# Altium PCB VCO.PcbDoc
Units mil, origin at the board's own origin, x right, y up, seen from the top; angles counter-clockwise.
Board outline 840 x 1465 mil, 2 copper layers (Top Layer, Bottom Layer); 16 components, 10 nets, 58 pads, 174 vias.
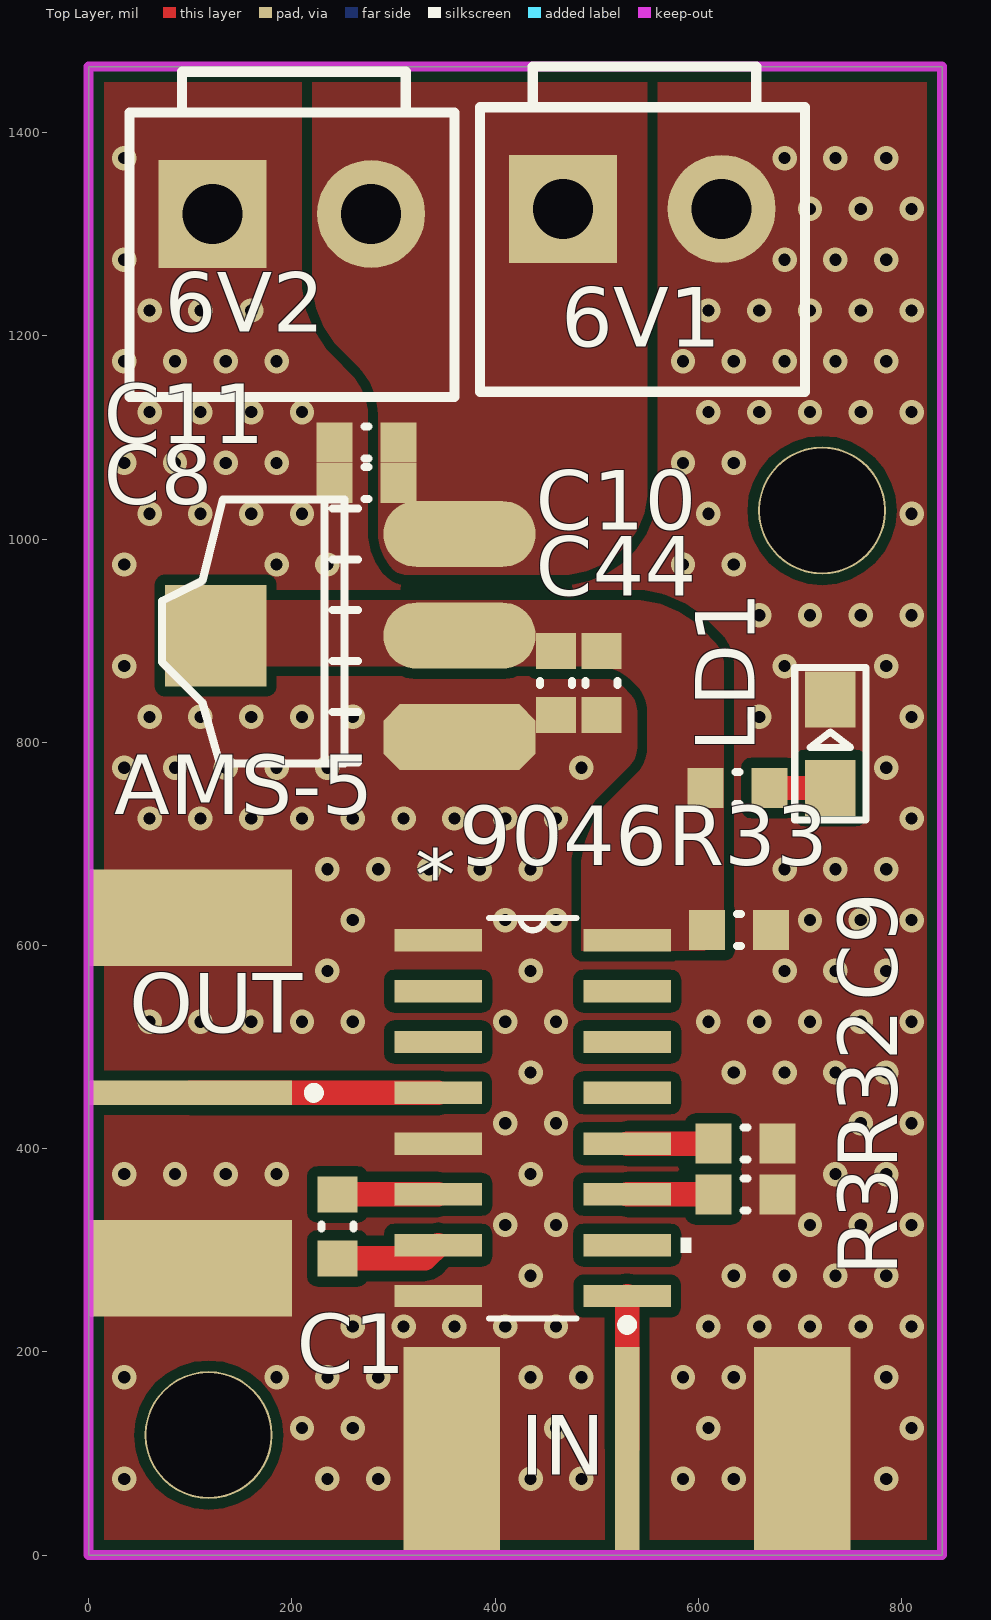
[diagram p0: Top Layer view]
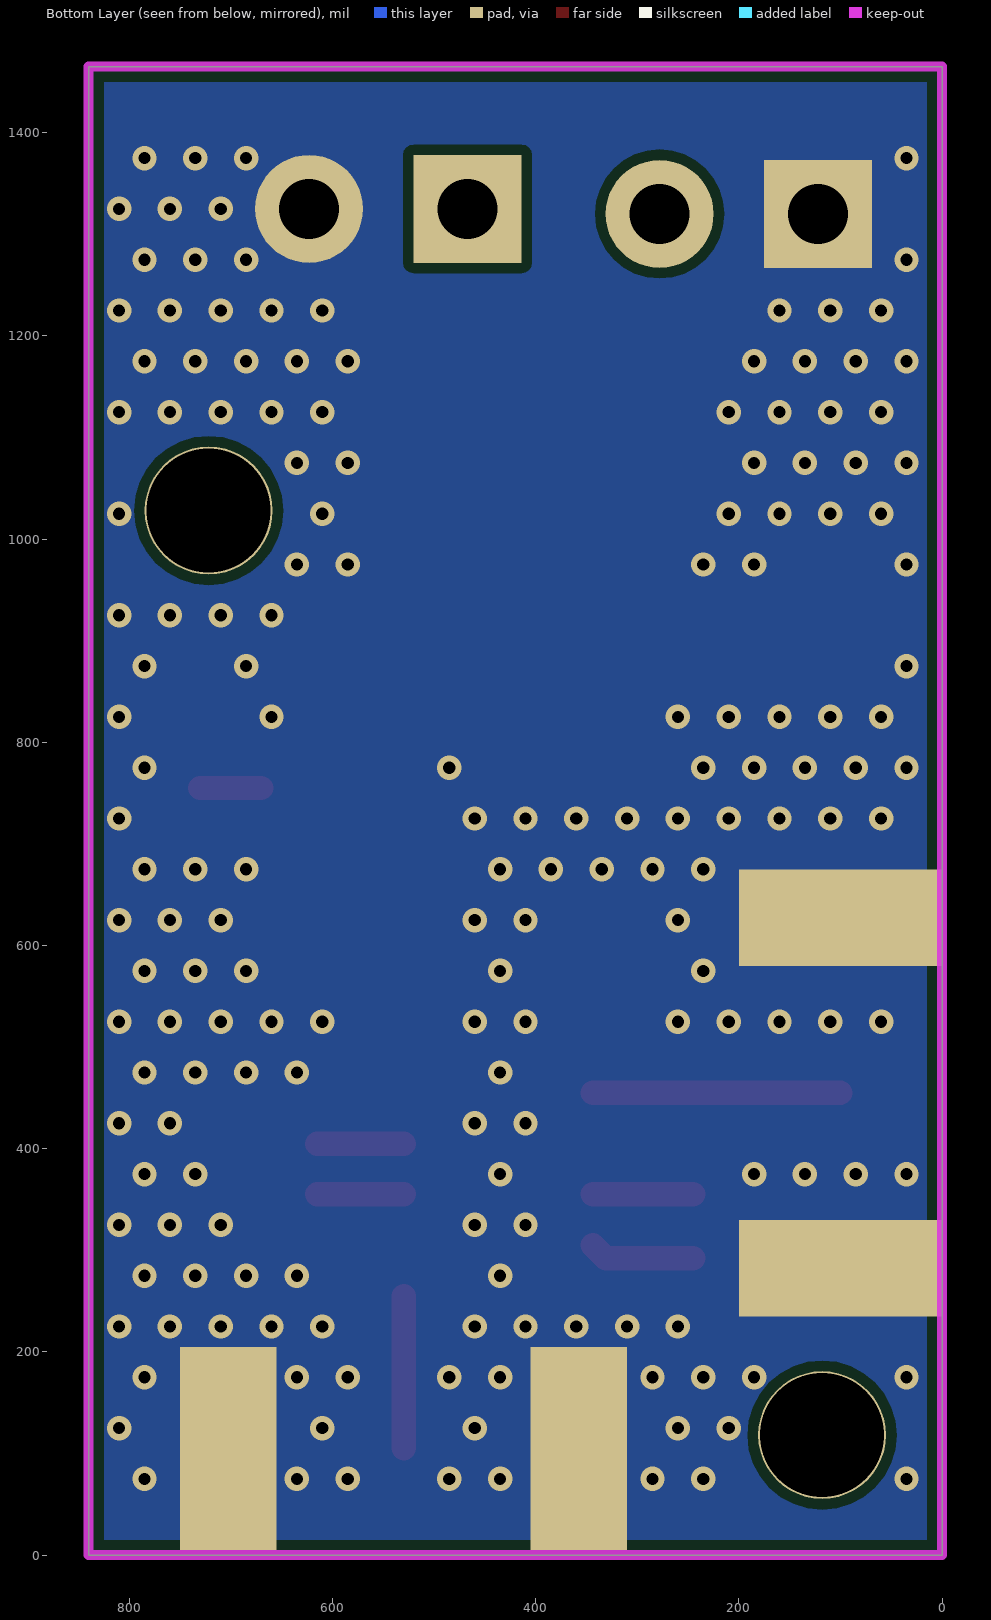
[diagram p1: Bottom Layer view, seen from below]

## Layer stack, top to bottom
Top Solder: solder mask 0.4, Solder Resist, Dk 3.5
Top Layer: signal copper 1.4
Dielectric 1: dielectric 12.6, FR-4, Dk 4.8
Bottom Layer: signal copper 1.4
Bottom Solder: solder mask 0.4, Solder Resist, Dk 3.5

## Board outline
0,0 840,0 840,1465 0,1465

## Design rules (kind name [scope] priority, off if disabled: settings)
Clearance [All] p1: gap=10 ignorepadtopadclearanceinfootprint=FALSE except(0: Arc-Hole Track-Hole SMDPad-Hole THPad-Hole Via-Hole Fill-Hole Poly-Hole Region-Hole Text-Hole)
PlaneConnect [All] p1: planeconnectstyle=Direct reliefexpansion=20 reliefentries=4 reliefconductorwidth=10 reliefairgap=10
PolygonConnect [All] p1: connectstyle=Direct reliefconductorwidth=10 reliefentries=4 polygonreliefangle="90 Angle" airgapwidth=10
RoutingVias [All] p1: holewidth=28 width=50 viastyle="Through Hole" minholewidth=28 minwidth=50 maxholewidth=28 maxwidth=50
SolderMaskExpansion [All] p1: expansion=4
Width [All] p1: maxlimit=24 minlimit=24 preferedwidth=24
29 further rules are at their usual default settings.

## Components (designator, comment, footprint, x,y, rotation, side; value= is the part's Value field where it differs from the comment)
6V1 "3.96" 3.96 545,1325 r0 top
6V2 "3.96" 3.96 200,1320 r0 top
9046 "CD74HC9046AM" D16 437,430 r0 top (schematic designator U1)
AMS-5 "AMS1117-5" AMS1117 364.94,804.97 r90 top
C1 "91pF" 0603C 245,323.5 r90 top
C8 "10uf" 0603C 273.5,1055 r0 top
C9 "10uf" 0603C 640,615 r180 top
C10 "10uf" 0603C 460,858.5 r90 top
C11 "10uf" 0603C 273.5,1095 r0 top
C44 "100pF" 0603C 505,858.5 r90 top
IN "SMA" SMA 535,201 r90 top
LD1 "LED" SMDLED 729.94,754.97 r90 top
OUT "SMA" SMA 196,450 r0 top
R3 "3k" 0603R 646.5,355 r180 top
R32 "1K" 0603R 646.5,405 r180 top
R33 "1K" 0603R 638.5,755 r0 top

## Footprints (in the part's own frame and the unit in brackets; to place one, negate y for a bottom-side part, rotate by r counter-clockwise, add the part's x,y. Pads: shape width x height; smd on the part's side, far side on the other; paste and mask are expansions set on the pad)
3.96 [mm] "接插件，25V/5A"
  rect 2.7x2.7 hole 1.5: 1(-1.98,0)
  round 2.7 hole 1.5: 2(1.982,0)
  silkscreen extent -4.06,-4.57 4.07,3.56, body extent -3.98,-4.4 4.03,4.16, height 10.5
0603C [mm] "Chip Capacitor, Body 1.6x0.8mm, Height 1.0mm, IPC Medium Density"
  rect 0.9x1 smd: 1(-0.8,0) 2(0.8,0)
  silkscreen extent -0.05,-0.4 0.05,0.4, body extent -0.87,-0.48 0.88,0.47, height 1
0603R [mm] "Chip Resistor, Body 1.6x0.8mm, IPC Medium Density"
  rect 0.9x1 smd: 1(-0.8,0) 2(0.8,0)
  silkscreen extent -0.05,-0.4 0.05,0.4, body extent -0.85,-0.47 0.85,0.47, height 0.6
AMS1117 [mil]
  oct 65x150 smd: 1(0.03,-0.06)
  oval 65x150 smd: 2(100.03,-0.06) 3(200.03,-0.06)
  rect 100x100 smd: 4(100.03,239.94)
  silkscreen extent -26,100 234,293
D16 [mil]
  rect 86x22 smd: 1(-93,175) 2(-93,125) 3(-93,75) 4(-93,25) 5(-93,-25) 6(-93,-75) 7(-93,-125) 8(-93,-175) 9(93,-175) 10(93,-125) 11(93,-75) 12(93,-25) 13(93,25) 14(93,75) 15(93,125) 16(93,175)
  silkscreen extent -43,-197 156,197, body extent 0,0 10,10, height 10
SMA [mil]
  rect 200x24 smd: 1(-96,5)
  rect 200x95 smd: 2(-96,177.5) 2(-96,-167.5)
  rect 200x95 smd far side: 2(-96,177.5) 2(-96,177.5) 2(-96,-167.5)
  silkscreen extent 21,0 31,10, body extent -571,-183 -9,192, height 171
SMDLED [mm]
  rect 1.4x1.27 smd: 1(0.001,-0.002) 2(2.211,-0.002)
  silkscreen extent -0.8,-0.89 3.01,0.89

## Part data
9046: "High Speed CMOS Logic Phase-Locked Loop with VCO and Lock Detector", Manufacturer="Texas Instruments", PACKAGE_DESIGNATOR=D, Copyright="Copyright (C) 2018 Accelerated Designs. All rights reserved", Datasheet_URL=http://www.ti.com/lit/gpn/CD74HC7046A, FAMILY_NAME=PHASE-LOCKED-LOOP/OSCILLATOR, GENERIC_PART_NUMBER=CD74HC7046A, INDUSTRY_STD_PKG_TYPE=SOIC, PIN_COUNT=16, RefDes=RefDes, Type=DEV
AMS-5: library part AMS1117
C1 C8 C9 C10 C11 C44: library part C, "Capacitor"
IN OUT: "SMA Connector"
LD1: "Typical RED, GREEN, YELLOW, AMBER GaAs LED", PackageDocument=Feb-2002, LatestRevisionDate=17-Jul-2002, LatestRevisionNote="Re-released for DXP Platform.", PackageReference=3.2X1.6X1.1, Published=8-Jun-2000, Publisher="Altium Limited"
R3 R32 R33: library part Resistor, "Resistor"

## Free pads (board coordinates)
  round 125.98 hole 122.05: 4(118.11,118.11) 4(721.89,1028.11)

## Via types
v1: diameter 24, hole 12, Top Layer to Bottom Layer, tented both sides, 174 vias

## Nets (pads, with @x,y where several pads share a name; then routed paths per layer and width w, separated by ;. In a path a pad name is that pad's centre, name@x,y a point inside that pad or via, vN(x,y) a via of type N, cw(c..) or ccw(c..) an arc to the next point about the centre after c; other vN are vias at no path point)
5v: 9046.16 AMS-5.2 AMS-5.4 C9.2 C10.2 C44.2 R33.1
GND: 6V1.2 6V2.1 9046.1 9046.5 9046.8 AMS-5.1 C8.1 C9.1 C10.1 C11.1 C44.1 IN.2 LD1.2 OUT.2 R3.1 R32.1
  other v1: 35,75 235,75 285,75 435,75 485,75 585,75 635,75 785,75 210,125 260,125 460,125 610,125 810,125 35,175 185,175 235,175 285,175 435,175 485,175 585,175 635,175 785,175 260,225 310,225 360,225 410,225 460,225 610,225 660,225 710,225 760,225 810,225 435,275 635,275 685,275 735,275 785,275 410,325 460,325 710,325 760,325 810,325 35,375 85,375 135,375 185,375 435,375 735,375 785,375 410,425 460,425 760,425 810,425 435,475 635,475 685,475 735,475 785,475 60,525 110,525 160,525 210,525 260,525 410,525 460,525 610,525 660,525 710,525 760,525 810,525 235,575 435,575 685,575 735,575 785,575 260,625 410,625 460,625 710,625 760,625 810,625 235,675 285,675 335,675 385,675 435,675 685,675 735,675 785,675 60,725 110,725 160,725 210,725 260,725 310,725 360,725 410,725 460,725 810,725 35,775 85,775 135,775 185,775 235,775 485,775 785,775 60,825 110,825 160,825 210,825 260,825 660,825 810,825 35,875 685,875 785,875 660,925 710,925 760,925 810,925 35,975 185,975 235,975 585,975 635,975 60,1025 110,1025 160,1025 210,1025 610,1025 810,1025 35,1075 85,1075 135,1075 185,1075 585,1075 635,1075 60,1125 110,1125 160,1125 210,1125 610,1125 660,1125 710,1125 760,1125 810,1125 35,1175 85,1175 135,1175 185,1175 585,1175 635,1175 685,1175 735,1175 785,1175 60,1225 110,1225 160,1225 610,1225 660,1225 710,1225 760,1225 810,1225 35,1275 685,1275 735,1275 785,1275 710,1325 760,1325 810,1325 35,1375 685,1375 735,1375 785,1375
NetC1_1: 9046.7 C1.1 | length 104.4
  Top Layer w24: C1.1 331.01,292.01 9046.7
NetC1_2: 9046.6 C1.2 | length 99
  Top Layer w24: C1.2 9046.6
NetIN_1: 9046.9 IN.1 | length 150
  Top Layer w24: IN.1 9046.9
NetLD1_1: LD1.1 R33.2 | length 60
  Top Layer w24: R33.2 LD1.1
NetOUT_1: 9046.4 OUT.1 | length 244
  Top Layer w24: OUT.1 9046.4
NetR3_2: 9046.11 R3.2 | length 85
  Top Layer w24: 9046.11 R3.2
NetR32_2: 9046.12 R32.2 | length 85
  Top Layer w24: 9046.12 R32.2
VCC: 6V1.1 6V2.2 AMS-5.3 C8.2 C11.2
pads on no net: 9046.2 9046.3 9046.10 9046.13 9046.14 9046.15

## Polygon pours and split planes (outlines as drawn)
GND on Top Layer "Top Layer-No Net" (solid, remove dead copper, pour order 4): 0,1465 840,1465 840,0 0,0
VCC on Top Layer "Top Layer-No Net" (solid, remove dead copper, pour order 2): 220,1465 220,1256.42 ccw(c320,1256.42) 249.29,1185.71 265,1170 cw(c216.72,1121.72) 285,1121.72 285,1006.21 ccw(c336.21,1006.21) 300,970 ccw(c312.07,982.07) 312.07,965 464.64,965 ccw(c464.64,1050.36) 525,990 ccw(c464.64,1050.36) 550,1050.36 550,1452.93 ccw(c532.93,1452.93) 545,1465
5v on Top Layer "Top Layer-No Net" (solid, remove dead copper, pour order 0): 610,595 485,595 485,673.58 cw(c585,673.58) 514.29,744.29 540,770 ccw(c515.86,794.14) 550,794.14 550,830.86 ccw(c515.86,830.86) 540,855 534.14,860.86 ccw(c500,826.72) 500,875 104.14,875 cw(c104.14,909.14) 80,885 90.86,895.86 ccw(c56.72,930) 105,930 cw(c129.14,905.86) 129.14,940 533.58,940 cw(c533.58,840) 604.29,910.71 615,900 cw(c590.86,875.86) 625,875.86 625,620 cw(c612.93,620) 621.46,611.46 619.59,609.59 cw(c608.5,620.68) 608.5,605
GND on Bottom Layer "Top Layer-No Net" (solid, remove dead copper, pour order 6): 0,1465 840,1465 840,0 0,0

## Keep-outs
Keep-Out Layer:
  lines w10: 0,0 0,1465 840,1465 840,1460 840,0 0,0

## Text inside footprints (layer, text, board x,y; h text height)
9046: Top Overlay "*" at 321.5,622 h100; Mechanical 13 "*" at 321.5,622 h100